# Altium PCB GN-1846-E-V2.PcbDoc (part 1 of 8) (continued)
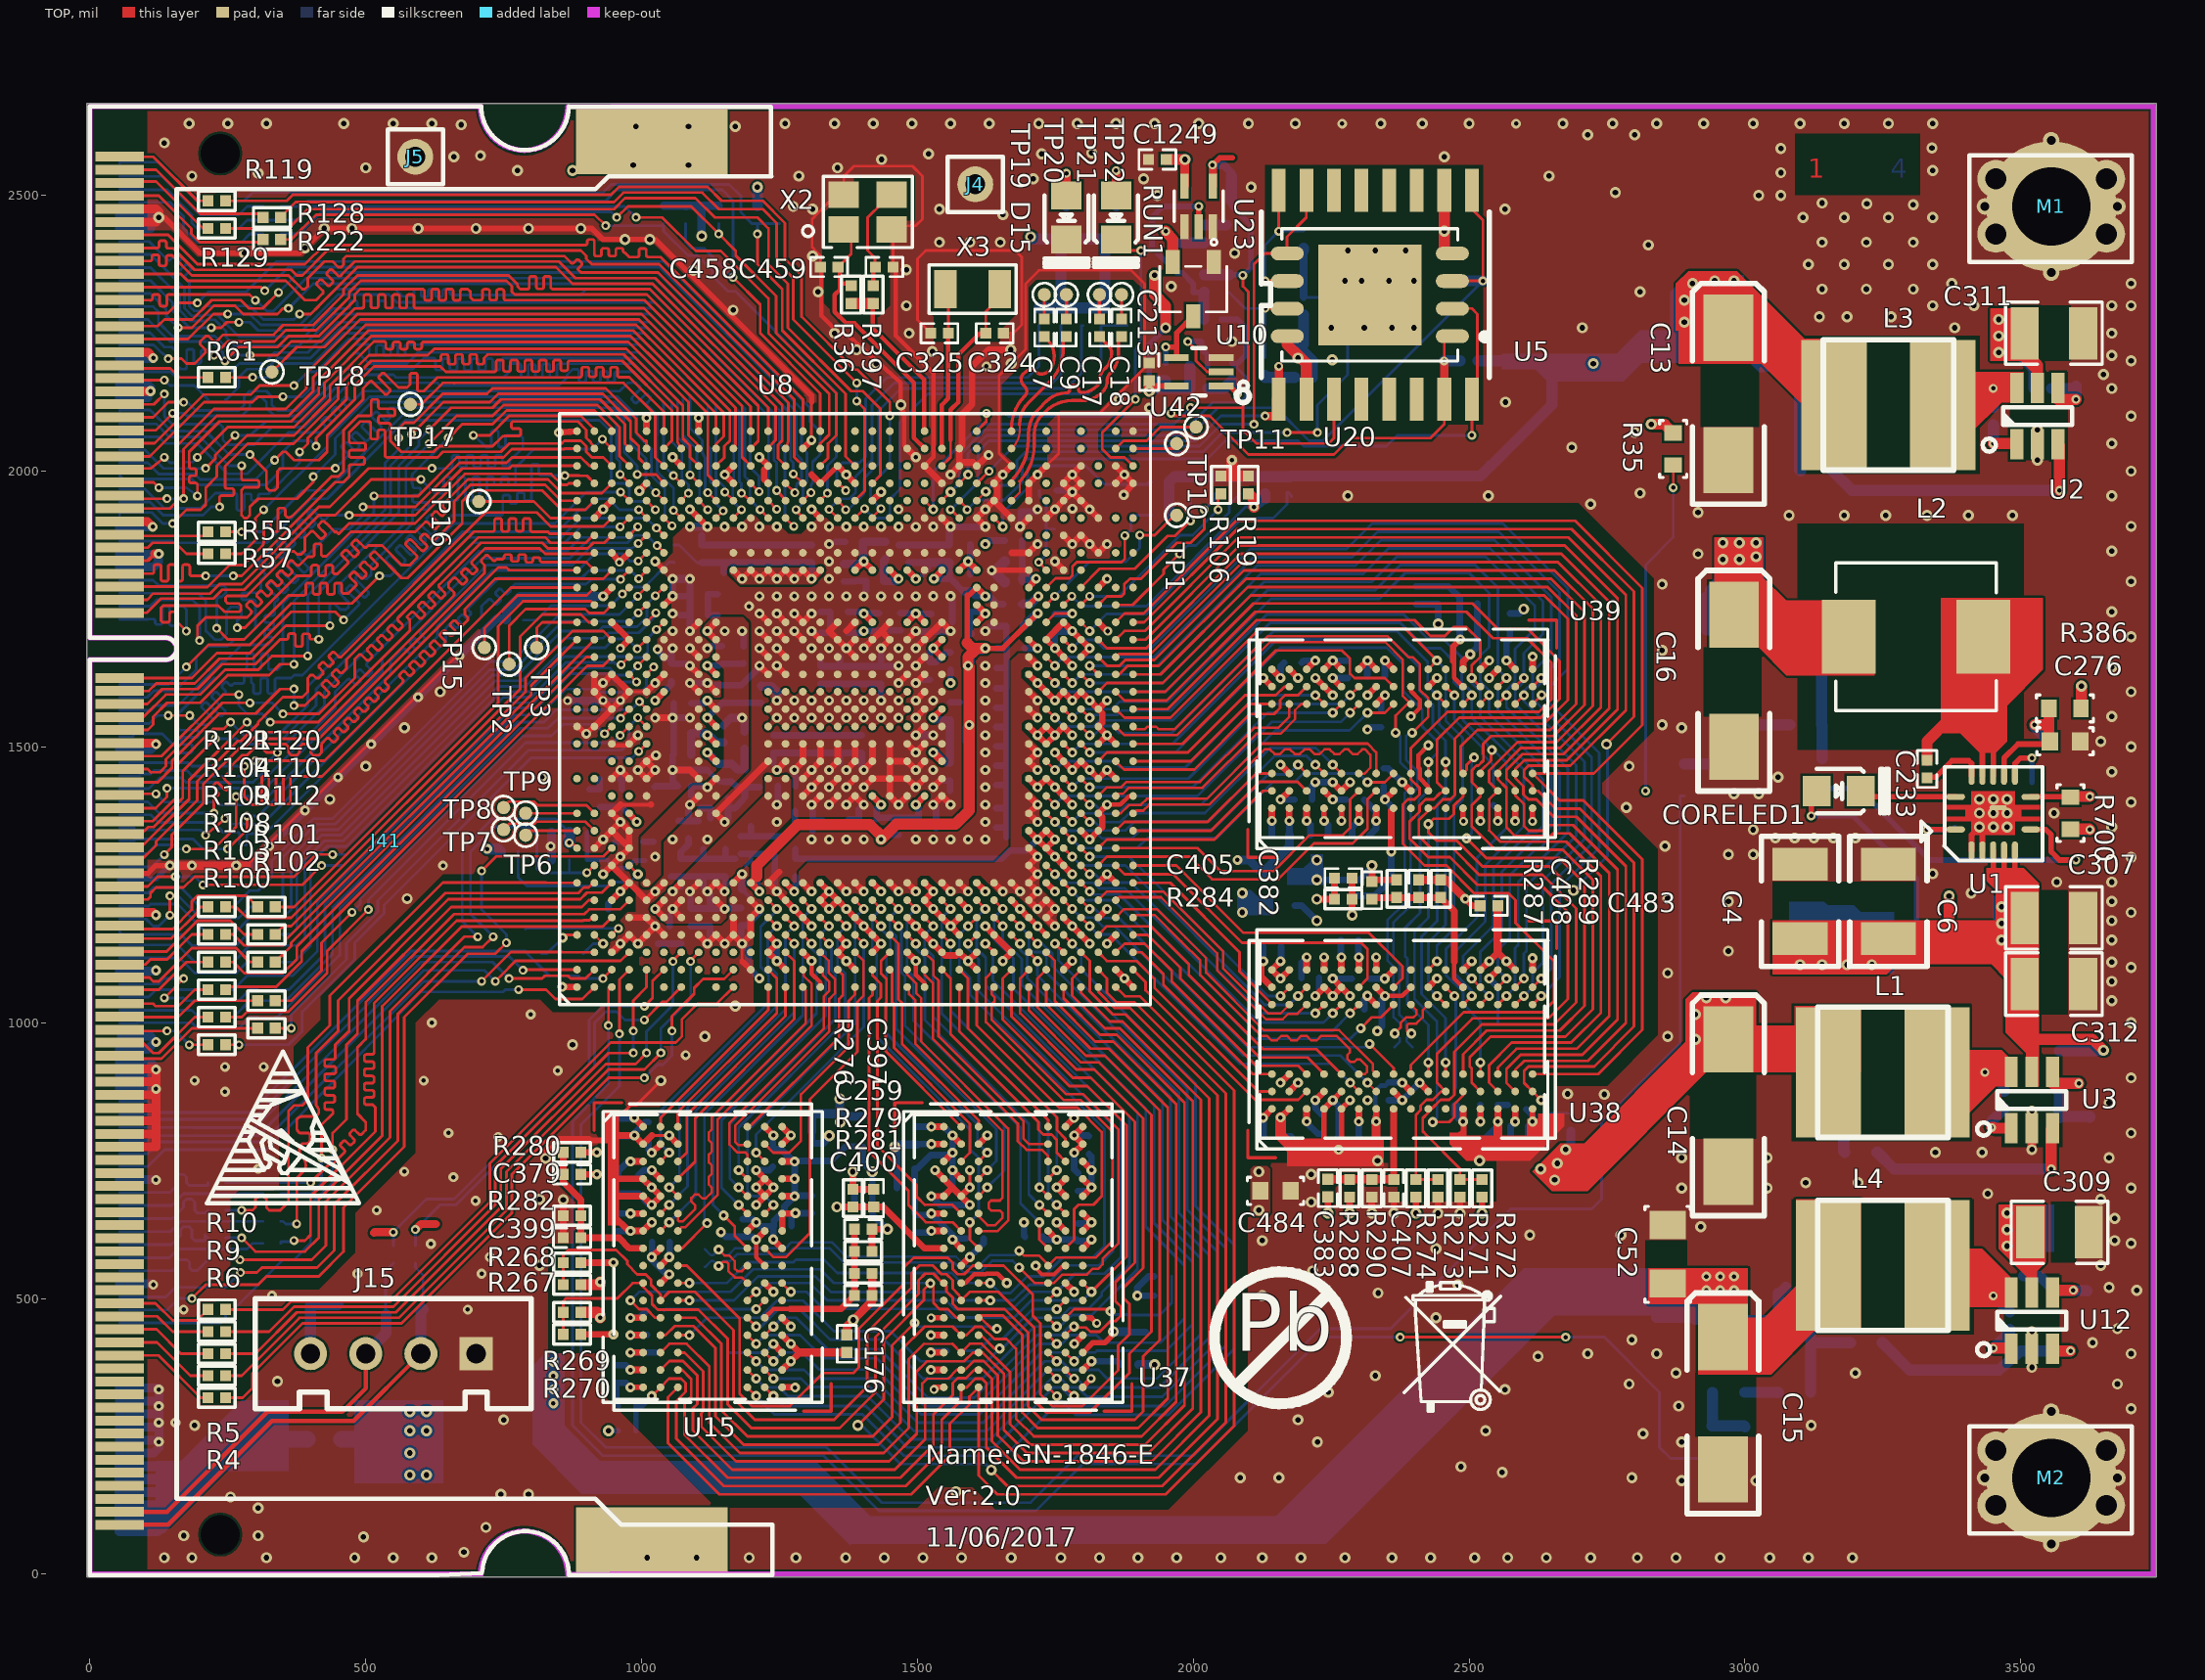
[diagram p0: TOP view]
## Design rules (kind name [scope] priority, off if disabled: settings)
Clearance "'Default' PADS rule_18" [All] p1: gap=4
Clearance "'Default' PADS rule_15" [IsVia vs IsVia] p2: gap=4
ComponentClearance "'Default' PADS rule_12" [All] p1: gap=4 collisioncheckmode=3 verticalgap=10 showdistances=FALSE
FabricationTestPointUsage TestPointUsage [All] p1: valid=0 allowmultiple=FALSE
FabricationTestpoint Testpoint [All] p1: side=3 testpointundercomponent=TRUE minsize=40 maxsize=100 preferedsize=60 minholesize=0 maxholesize=40 preferedholesize=32 testpointgrid=1 allowsidetop=TRUE allowsidebottom=TRUE usegrid=TRUE gridtolerance=0.01
FlightTimeFalling "'Class' PADS rule_57" [InNetClass('G2')] p1: maximum=10.00
FlightTimeFalling "'Class' PADS rule_50" [InNetClass('G0')] p2: maximum=10.00
FlightTimeFalling "'Class' PADS rule_43" [InNetClass('G3')] p3: maximum=10.00
FlightTimeFalling "'Class' PADS rule_36" [InNetClass('G1')] p4: maximum=10.00
FlightTimeFalling "'Net' PADS rule_30" [InNetClass('Protel Created NetClass - 2')] p5: maximum=10.00
FlightTimeFalling "'Net' PADS rule_23" [InNetClass('Protel Created NetClass - 1')] p6: maximum=10.00
FlightTimeFalling "'Default' PADS rule_10" [All] p7: maximum=10.00
FlightTimeRising "'Class' PADS rule_56" [InNetClass('G2')] p1: maximum=10.00
FlightTimeRising "'Class' PADS rule_49" [InNetClass('G0')] p2: maximum=10.00
FlightTimeRising "'Class' PADS rule_42" [InNetClass('G3')] p3: maximum=10.00
FlightTimeRising "'Class' PADS rule_35" [InNetClass('G1')] p4: maximum=10.00
FlightTimeRising "'Net' PADS rule_29" [InNetClass('Protel Created NetClass - 2')] p5: maximum=10.00
FlightTimeRising "'Net' PADS rule_22" [InNetClass('Protel Created NetClass - 1')] p6: maximum=10.00
FlightTimeRising "'Default' PADS rule_9" [All] p7: maximum=10.00
Length "'Class' PADS rule_52" [InNetClass('G2')] p1: maxlimit=1550 minlimit=1350
Length "'Class' PADS rule_45" [InNetClass('G0')] p2: maxlimit=1350 minlimit=1150
Length "'Class' PADS rule_38" [InNetClass('G3')] p3: maxlimit=1650 minlimit=1450
Length "'Class' PADS rule" [InNetClass('G1')] p4: maxlimit=1500 minlimit=1300
Length "'Net' PADS rule_25" [InNetClass('Protel Created NetClass - 2')] p5: maxlimit=1100 minlimit=1000
Length "'Net' PADS rule" [InNetClass('Protel Created NetClass - 1')] p6: maxlimit=1150 minlimit=1050
Length "'Default' PADS rule_5" [All] p7: maxlimit=50000 minlimit=0
MatchedLengths "'Class' PADS rule_58" [InNetClass('G2')] p1: tolerance=100 checknetsindiffpair=TRUE checkdiffpairvsdiffpair=TRUE checkothers=TRUE
MatchedLengths "'Class' PADS rule_51" [InNetClass('G0')] p2: tolerance=100 checknetsindiffpair=TRUE checkdiffpairvsdiffpair=TRUE checkothers=TRUE
MatchedLengths "'Class' PADS rule_44" [InNetClass('G3')] p3: tolerance=100 checknetsindiffpair=TRUE checkdiffpairvsdiffpair=TRUE checkothers=TRUE
MatchedLengths "'Class' PADS rule_37" [InNetClass('G1')] p4: tolerance=100 checknetsindiffpair=TRUE checkdiffpairvsdiffpair=TRUE checkothers=TRUE
MatchedLengths "'Net' PADS rule_31" [InNetClass('Protel Created NetClass - 2')] p5: tolerance=100 checknetsindiffpair=TRUE checkdiffpairvsdiffpair=TRUE checkothers=TRUE
MatchedLengths "'Net' PADS rule_24" [InNetClass('Protel Created NetClass - 1')] p6: tolerance=100 checknetsindiffpair=TRUE checkdiffpairvsdiffpair=TRUE checkothers=TRUE
MatchedLengths "'Default' PADS rule_11" [InNetClass('All Nets')] p7: tolerance=200 checknetsindiffpair=TRUE checkdiffpairvsdiffpair=TRUE checkothers=TRUE
MaxMinImpedance "'Class' PADS rule_55" [InNetClass('G2')] p1: minimum=50.00 maximum=150.0
MaxMinImpedance "'Class' PADS rule_48" [InNetClass('G0')] p2: minimum=50.00 maximum=150.0
MaxMinImpedance "'Class' PADS rule_41" [InNetClass('G3')] p3: minimum=50.00 maximum=150.0
MaxMinImpedance "'Class' PADS rule_34" [InNetClass('G1')] p4: minimum=50.00 maximum=150.0
MaxMinImpedance "'Net' PADS rule_28" [InNetClass('Protel Created NetClass - 2')] p5: minimum=50.00 maximum=150.0
MaxMinImpedance "'Net' PADS rule_21" [InNetClass('Protel Created NetClass - 1')] p6: minimum=50.00 maximum=150.0
MaxMinImpedance "'Default' PADS rule_8" [All] p7: minimum=50.00 maximum=150.0
ParallelSegment "'Class' PADS rule_54" [InNetClass('G2')] p1: limit=1000 gap=200
ParallelSegment "'Class' PADS rule_53" [InNetClass('G2')] p2: limit=1000 gap=200
ParallelSegment "'Class' PADS rule_47" [InNetClass('G0')] p3: limit=1000 gap=200
ParallelSegment "'Class' PADS rule_46" [InNetClass('G0')] p4: limit=1000 gap=200
ParallelSegment "'Class' PADS rule_40" [InNetClass('G3')] p5: limit=1000 gap=200
ParallelSegment "'Class' PADS rule_39" [InNetClass('G3')] p6: limit=1000 gap=200
ParallelSegment "'Class' PADS rule_33" [InNetClass('G1')] p7: limit=1000 gap=200
ParallelSegment "'Class' PADS rule_32" [InNetClass('G1')] p8: limit=1000 gap=200
ParallelSegment "'Net' PADS rule_27" [InNetClass('Protel Created NetClass - 2')] p9: limit=1000 gap=200
ParallelSegment "'Net' PADS rule_26" [InNetClass('Protel Created NetClass - 2')] p10: limit=1000 gap=200
ParallelSegment "'Net' PADS rule_20" [InNetClass('Protel Created NetClass - 1')] p11: limit=1000 gap=200
ParallelSegment "'Net' PADS rule_19" [InNetClass('Protel Created NetClass - 1')] p12: limit=1000 gap=200
ParallelSegment "'Default' PADS rule_7" [All] p13: limit=1000 gap=200
ParallelSegment "'Default' PADS rule_6" [All] p14: limit=1000 gap=200
PlaneClearance "'Default' PADS rule_14" [All] p1: clearance=4
PlaneConnect "Power Plane Connect Style - pads with no thermal" [(Name='J41-205') Or (Name='J41-206') Or (Name='M5-1') Or (Name='M7-1')] p1: planeconnectstyle=Direct reliefexpansion=20 reliefentries=4 reliefconductorwidth=10 reliefairgap=10 // PAD - No Thermal Connect Rule
PlaneConnect "Power Plane Connect Style - from global settings" [All] p2: planeconnectstyle=Direct reliefexpansion=20 reliefentries=2 reliefconductorwidth=10 reliefairgap=10
PolygonConnect [All] p1: connectstyle=Direct reliefconductorwidth=10 reliefentries=4 polygonreliefangle="90 Angle"
RoomDefinition "P18 CONNECT DDR1" [InComponentClass('P18 CONNECT DDR1')] p1: confinementstyle=ConfineIn formatcopy=TRUE lockcomponents=FALSE outline -33477,-39373.61 -31477,-39373.61 -31477,-38373.61 -33477,-38373.61
RoomDefinition "P17 Hi3531AV100 (AD)" [InComponentClass('P17 Hi3531AV100 (AD)')] p2: confinementstyle=ConfineIn formatcopy=TRUE lockcomponents=FALSE outline -33477,-39373.61 -31477,-39373.61 -31477,-38373.61 -33477,-38373.61
RoomDefinition "P16 Hi3531AV100(RGMII&I" [InComponentClass('P16 Hi3531AV100(RGMII&I')] p3: confinementstyle=ConfineIn formatcopy=TRUE lockcomponents=FALSE outline -33477,-39373.61 -31477,-39373.61 -31477,-38373.61 -33477,-38373.61
RoomDefinition "P15 Hi3531AV100(VO&I2S3" [InComponentClass('P15 Hi3531AV100(VO&I2S3')] p4: confinementstyle=ConfineIn formatcopy=TRUE lockcomponents=FALSE outline -33477,-39373.61 -31477,-39373.61 -31477,-38373.61 -33477,-38373.61
RoomDefinition "P14 Hi3531AV100(SATA&PC" [InComponentClass('P14 Hi3531AV100(SATA&PC')] p5: confinementstyle=ConfineIn formatcopy=TRUE lockcomponents=FALSE outline -33477,-39373.61 -31477,-39373.61 -31477,-38373.61 -33477,-38373.61
RoomDefinition "P13 Configuration" [InComponentClass('P13 Configuration')] p6: confinementstyle=ConfineIn formatcopy=TRUE lockcomponents=FALSE outline -33477,-39373.61 -31477,-39373.61 -31477,-38373.61 -33477,-38373.61
RoomDefinition "P12 SPI&NAND FLASH" [InComponentClass('P12 SPI&NAND FLASH')] p7: confinementstyle=ConfineIn formatcopy=TRUE lockcomponents=FALSE outline -33477,-39373.61 -31477,-39373.61 -31477,-38373.61 -33477,-38373.61
RoomDefinition "P11 Hi3531A(SYSTEM)&RES" [InComponentClass('P11 Hi3531A(SYSTEM)&RES')] p8: confinementstyle=ConfineIn formatcopy=TRUE lockcomponents=FALSE outline -33477,-39373.61 -31477,-39373.61 -31477,-38373.61 -33477,-38373.61
RoomDefinition "P10 DDRC&D NOVTT" [InComponentClass('P10 DDRC&D NOVTT')] p9: confinementstyle=ConfineIn formatcopy=TRUE lockcomponents=FALSE outline -33477,-39373.61 -31477,-39373.61 -31477,-38373.61 -33477,-38373.61
RoomDefinition "P09 DDRA&B NOVTT" [InComponentClass('P09 DDRA&B NOVTT')] p10: confinementstyle=ConfineIn formatcopy=TRUE lockcomponents=FALSE outline -33477,-39373.61 -31477,-39373.61 -31477,-38373.61 -33477,-38373.61
RoomDefinition "P08 Hi3531AV100(DDRC0 D" [InComponentClass('P08 Hi3531AV100(DDRC0 D')] p11: confinementstyle=ConfineIn formatcopy=TRUE lockcomponents=FALSE outline -33477,-39373.61 -31477,-39373.61 -31477,-38373.61 -33477,-38373.61
RoomDefinition "P07 Hi3531AV100(POWER)" [InComponentClass('P07 Hi3531AV100(POWER)')] p12: confinementstyle=ConfineIn formatcopy=TRUE lockcomponents=FALSE outline -33477,-39373.61 -31477,-39373.61 -31477,-38373.61 -33477,-38373.61
RoomDefinition "P06 Hi3531AV100(GND)" [InComponentClass('P06 Hi3531AV100(GND)')] p13: confinementstyle=ConfineIn formatcopy=TRUE lockcomponents=FALSE outline -33477,-39373.61 -31477,-39373.61 -31477,-38373.61 -33477,-38373.61
RoomDefinition "P05 Power Supply2" [InComponentClass('P05 Power Supply2')] p14: confinementstyle=ConfineIn formatcopy=TRUE lockcomponents=FALSE outline -33477,-39373.61 -31477,-39373.61 -31477,-38373.61 -33477,-38373.61
RoomDefinition "P04 Power Supply1" [InComponentClass('P04 Power Supply1')] p15: confinementstyle=ConfineIn formatcopy=TRUE lockcomponents=FALSE outline -33477,-39373.61 -31477,-39373.61 -31477,-38373.61 -33477,-38373.61
RoutingLayers "'Default' PADS rule_3" [All] p1: top layer_v5=TRUE mid layer 1_v5=TRUE mid layer 2_v5=TRUE bottom layer_v5=TRUE
RoutingPriority "'Default' PADS rule_2" [All] p1: routingpriority=0
RoutingTopology "'Default' PADS rule" [All] p1: topology=Shortest
RoutingVias "'Default' PADS rule_4" [All] p1: holewidth=10 width=20 viastyle="Through Hole" minholewidth=10 minwidth=20 maxholewidth=10 maxwidth=20
SMDToCorner "'Default' PADS rule_16" [All] p1: distance=40000
SMDToPlane "'Default' PADS rule_17" [All] p1: distance=40000
SilkscreenOverComponentPads [All] p1: minsilkscreentomaskgap=10
SolderMaskExpansion [All] p1: expansion=4
Width "'Default' PADS rule_13" [All] p1: maxlimit=200 minlimit=4 preferedwidth=20
19 further rules are at their usual default settings.

## Classes and differential pairs
component class "P18 CONNECT DDR1": J41 R4 R5 R6 R9 R10 R55 R57 R58 R61 R62 R63 R100 R101 R102 R103 R104 R108 R109 R110 R111 R112 R113 R114 R115 R116 R119 R120 R121 R122 R123 R124 R125 R126 R128 R129 R132 R133 R134
component class "P17 Hi3531AV100 (AD)": C153 C175 C199 C430 R221 R222 R325 TP15 TP16 TP17 TP18
component class "P16 Hi3531AV100(RGMII&I": C198 C200 C431 R59 R60 R105 R320 R326 R341 R342 R343 R344 R345 TP1 TP12 TP13 TP14 U8
component class "P15 Hi3531AV100(VO&I2S3": C1 C2 C194 C197 C424 C426 C427 C428 C448 C480 J15 LB4 LB5 LB14 R48 R219 R372 TP2 TP3
component class "P14 Hi3531AV100(SATA&PC": C5 C7 C9 C17 C18 C101 C151 C356 C417 C467 C468 C470 LB3 LB6 LB9 LB11 LB12 LB24 R8 R30 R39 R40 R41 RUN1 TP6 TP7 TP8 TP9 TP10 TP11 TP19 TP20 TP21 TP22
component class "P13 Configuration": R2 R7 R80 R82 R244 R245 R246 R248 R316 R317 R318 R319 R321 R322 R323 R368 R688 R689 R690 R691 R703
component class "P12 SPI&NAND FLASH": C3 C8 R29 R56 R127 R130 R131 U5 U20
component class "P11 Hi3531A(SYSTEM)&RES": C204 C206 C207 C213 C220 C324 C325 C438 C455 C458 C459 C1247 C1249 C1255 R19 R23 R36 R37 R38 R64 R83 R84 R94 R95 R96 R106 R225 R253 R334 R335 R397 R687 R694 R699 U10 U23 U42 X2 X3
component class "P10 DDRC&D NOVTT": C45 C156 C157 C159 C160 C161 C163 C164 C165 C166 C167 C168 C169 C170 C171 C172 C173 C174 C380 C381 C382 C383 C405 C406 C407 C408 C411 C472 C483 C486 C526 C527 C597 C599 C1253 R170 R199 R236 R271 R272 R273 R274 R283 R284 R285 R286 R287 R288 R289 R290 R293 U38 U39
component class "P09 DDRA&B NOVTT": C43 C100 C133 C138 C140 C141 C142 C147 C148 C149 C152 C176 C257 C258 C259 C379 C397 C398 C399 C400 C401 C403 C404 C471 C478 C484 C496 C525 C588 C589 C590 C591 C592 C593 C594 C595 R168 R169 R235 R267 R268 R269 R270 R275 R276 R277 R278 R279 R280 R281 R282 R292 U15 U37
component class "P08 Hi3531AV100(DDRC0 D": C124 C125 C237 C238 C239 C240 C241 C242 C243 C244 C245 C246 C390 C392 C394 C395 C564 C578 C581 C582 C583 C584 C586 C587 LB1 LB2 R197 R198
component class "P07 Hi3531AV100(POWER)": C10 C11 C22 C23 C24 C25 C51 C52 C54 C61 C62 C80 C81 C82 C83 C88 C89 C90 C91 C92 C93 C94 C95 C96 C97 C98 C135 C136 C143 C387 C388 C434 C435 C456 C460 C461 C462 C576 LB28 LB29
component class "P06 Hi3531AV100(GND)": J4 J5 M1 M2
component class "P05 Power Supply2": C13 C14 C27 C28 C74 C75 C109 C112 C274 C275 C287 C311 C312 C449 C450 C452 C485 C1352 D15 L1 L3 R3 R11 R12 R24 R26 R206 R260 R261 R370 R403 U2 U3
component class "P04 Power Supply1": C4 C6 C12 C15 C16 C33 C35 C68 C72 C78 C233 C272 C276 C283 C307 C309 C384 C442 C443 C446 C447 C481 C482 C511 C555 C1349 C1350 C1351 CORELED1 F1 L2 L4 R13 R35 R43 R230 R257 R258 R294 R295 R296 R297 R310 R311 R371 R373 R386 R387 R695 R700 R701 R702 U1 U12

## Components (designator, comment, footprint, x,y, rotation, side; value= is the part's Value field where it differs from the comment)
C1 "SC0402" SC0402 520,480 r0 bottom
C2 "SC0402" SC0402 620,480 r180 bottom
C3 "SC0402" SC0402 1950,2300 r270 bottom
C4 "1210" 1210 3100,1220 r90 top
C5 "SC0402" SC0402 1674,1799 r0 bottom
C6 "1210" 1210 3260,1220 r90 top
C7 "SC0402" SC0402 1730,2260 r90 top
C8 "SC0603" SC0603 1925,2565 r0 bottom
C9 "SC0402" SC0402 1770,2260 r90 top
C10 "SC0402" SC0402 1672,1759 r180 bottom
C11 "SC0402" SC0402 1085,1350 r90 bottom
C12 "SC0603" SC0603 2940,1440 r90 bottom
C13 "6032" 6032 2970,2140 r90 top
C14 "6032" 6032 2970,850 r90 top
C15 "6032" 6032 2960,310 r90 top
C16 "6032" 6032 2980,1620 r90 top
C17 "SC0402" SC0402 1830,2260 r90 top
C18 "SC0402" SC0402 1870,2260 r90 top
C22 "SC0402" SC0402 1225.5,1266 r180 bottom
C23 "SC0402" SC0402 1074,1579.31 r0 bottom
C24 "SC0402" SC0402 1434,1630 r270 bottom
C25 "SC0402" SC0402 1239,1505 r90 bottom
C27 "SC0402" SC0402 3470,860 r270 bottom
C28 "SC0402" SC0402 3450,2100 r270 bottom
C33 "SC0402" SC0402 3480,460 r270 bottom
C35 "SC0603" SC0603 3565,485 r90 bottom
C43 "SC0603" SC0603 1401.02,803.02 r270 bottom
C45 "SC0603" SC0603 2129,1240 r270 bottom
C51 "SC0805" SC0805 1454,1490 r270 bottom
C52 "SC1206" SC1206 2860,580 r90 top
C54 "SC0603" SC0603 1276.73,1646 r270 bottom
C61 "SC0402" SC0402 1423,1801 r0 bottom
C62 "SC0402" SC0402 1358,1745 r0 bottom
C68 "SC0402" SC0402 2840,450 r90 bottom
C72 "SC0402" SC0402 2910,1770 r0 bottom
C74 "SC0402" SC0402 2900,920 r90 bottom
C75 "SC0402" SC0402 2570,2180 r90 bottom
C78 "SC0603" SC0603 3000,240 r90 bottom
C80 "SC0603" SC0603 967,1206.34 r0 bottom
C81 "SC0402" SC0402 1294,1366 r180 bottom
C82 "SC0402" SC0402 1071,1281 r270 bottom
C83 "SC0402" SC0402 1180,1192 r90 bottom
C88 "SC0402" SC0402 1152,1281 r270 bottom
C89 "SC0402" SC0402 1124,1191 r90 bottom
C90 "SC0402" SC0402 1104,1777 r0 bottom
C91 "SC0402" SC0402 987,1328 r0 bottom
C92 "SC0402" SC0402 1385,1872 r0 bottom
C93 "SC0402" SC0402 1358,1707 r0 bottom
C94 "SC0402" SC0402 1677,1719 r0 bottom
C95 "SC0402" SC0402 1319,1505 r90 bottom
C96 "SC0402" SC0402 1359,1505 r90 bottom
C97 "SC0402" SC0402 1399,1505 r90 bottom
C98 "SC0402" SC0402 1279,1505 r90 bottom
C100 "SC0402" SC0402 1791.02,711.02 r270 bottom
C101 "SC0402" SC0402 1149,1453 r90 bottom
C109 "SC0603" SC0603 3530,2230 r180 bottom
C112 "SC0805" SC0805 2960,2190 r270 bottom
C124 "SC0402" SC0402 1559,1455 r90 bottom
C125 "SC0402" SC0402 1410,1369 r0 bottom
C133 "SC0402" SC0402 1711.02,612.02 r0 bottom
C135 "SC0402" SC0402 1149,1850 r270 bottom
C136 "SC0402" SC0402 1367,1816 r90 bottom
C138 "SC0402" SC0402 1498.82,795.48 r90 bottom
C140 "SC0402" SC0402 1563.82,685.48 r90 bottom
C141 "SC0402" SC0402 957.62,706.52 r90 bottom
C142 "SC0402" SC0402 993.62,706.52 r90 bottom
C143 "SC0402" SC0402 1109,1850 r270 bottom
C147 "SC0402" SC0402 954.83,362.98 r90 bottom
C148 "SC0402" SC0402 1009.83,417.98 r90 bottom
C149 "SC0402" SC0402 1183.02,628.02 r90 bottom
C151 "SC0402" SC0402 1522.2,1637.7 r90 bottom
C152 "SC0402" SC0402 952.62,810.52 r90 bottom
C153 "SC0402" SC0402 1189,1850 r270 bottom
C156 "SC0402" SC0402 2354.48,875.62 r270 bottom
C157 "SC0402" SC0402 2325.98,1024.02 r180 bottom
C159 "SC0402" SC0402 2247.48,798.62 r180 bottom
C160 "SC0402" SC0402 2283.52,1149.82 r180 bottom
C161 "SC0402" SC0402 2143,1138 r180 bottom
C163 "SC0402" SC0402 2316.02,794.83 r180 bottom
C164 "SC0402" SC0402 2143.48,793.62 r180 bottom
C165 "SC0402" SC0402 2228.52,1339.82 r180 bottom
C166 "SC0402" SC0402 2158.52,1339.82 r180 bottom
C167 "SC0402" SC0402 2303.52,1079.82 r0 bottom
C168 "SC0402" SC0402 2280.48,1640.62 r90 bottom
C169 "SC0402" SC0402 2331.48,1628.62 r0 bottom
C170 "SC0402" SC0402 2340.48,1551.62 r90 bottom
C171 "SC0402" SC0402 2199.48,1404.62 r180 bottom
C172 "SC0402" SC0402 2293.48,1404.62 r180 bottom
C173 "SC0402" SC0402 2344.98,1445.02 r270 bottom
C174 "SC0402" SC0402 2304,1340 r180 bottom
C175 "SC0402" SC0402 1309,1850 r270 bottom
C176 "SC0402" SC0402 1372,418 r270 top
C194 "SC0402" SC0402 1146,1596 r270 bottom
C197 "SC0402" SC0402 1074,1525 r0 bottom
C198 "SC0402" SC0402 1141,1389 r180 bottom
C199 "SC0402" SC0402 1269,1850 r270 bottom
C200 "SC0402" SC0402 1081.61,1429 r0 bottom
C204 "SC0402" SC0402 1558,1850 r270 bottom
C206 "SC0402" SC0402 1484,1850 r270 bottom
C207 "SC0402" SC0402 1672,1926.3 r180 bottom
C213 "SC0402" SC0402 1920,2180 r270 top
C220 "SC0402" SC0402 2085,2490 r180 bottom
C233 "SC0402" SC0402 3330,1460 r270 top
C237 "SC0402" SC0402 1423,1281 r270 bottom
C238 "SC0402" SC0402 1531,1281 r270 bottom
C239 "SC0402" SC0402 1567,1281 r270 bottom
C240 "SC0402" SC0402 1604,1281 r270 bottom
C241 "SC0402" SC0402 1643,1281 r270 bottom
C242 "SC0402" SC0402 1677,1431 r0 bottom
C243 "SC0402" SC0402 1677,1354 r0 bottom
C244 "SC0402" SC0402 1677,1389 r0 bottom
C245 "SC0402" SC0402 1677,1466 r0 bottom
C246 "SC0402" SC0402 1677,1501 r0 bottom
C257 "SC0402" SC0402 1945.02,505.02 r180 bottom
C258 "SC0402" SC0402 1402,665 r0 bottom
C259 "SC0402" SC0402 1401.82,625.48 r0 top
C272 "SC0603" SC0603 3530,1210 r180 bottom
C274 "SC0603" SC0603 3180,1220 r270 bottom
C275 "SC0603" SC0603 3570,800 r90 bottom
C276 "SC0603" SC0603 3580,1510 r180 top
C283 "SC0603" SC0603 655,235 r180 bottom
C287 "SC0402" SC0402 3050,2250 r0 bottom
C307 "SC1210B" SC1210B 3560,1190 r0 top
C309 "SC1210B" SC1210B 3570,620 r0 top
C311 "SC1210B" SC1210B 3560,2250 r0 top
C312 "SC1210B" SC1210B 3560,1070 r0 top
C324 "SC0402" SC0402 1640,2250 r0 top
C325 "SC0402" SC0402 1540,2250 r180 top
C356 "SC0402" SC0402 1596,1883 r270 bottom
C379 "SC0402" SC0402 874,725 r0 top
C380 "SC0402" SC0402 2444,1775 r270 bottom
C381 "SC0402" SC0402 2359,1355 r90 bottom
C382 "SC0402" SC0402 2324,1240 r90 top
C383 "SC0402" SC0402 2244,700 r270 top
C384 "SC0603" SC0603 3570,640 r180 bottom
C387 "SC0402" SC0402 1394,1630 r270 bottom
C388 "SC0402" SC0402 1324,1630 r270 bottom
C390 "SC0402" SC0402 1559,1565 r270 bottom
C392 "SC0402" SC0402 1677,1606 r0 bottom
C394 "SC0402" SC0402 1388,1281 r270 bottom
C395 "SC0402" SC0402 1518,1371 r180 bottom
C397 "SC0402" SC0402 1421,682 r270 top
C398 "SC0402" SC0402 1915.02,454.02 r90 bottom
C399 "SC0402" SC0402 874,610 r0 top
C400 "SC0402" SC0402 1401.82,505.48 r180 top
C401 "SC0402" SC0402 1811.02,778.02 r270 bottom
C403 "SC0402" SC0402 1308.82,765.48 r270 bottom
C404 "SC0402" SC0402 1238.02,755.02 r90 bottom
C405 "SC0402" SC0402 2272,1262 r0 top
C406 "SC0402" SC0402 2499,1760 r180 bottom
C407 "SC0402" SC0402 2363.52,699.82 r90 top
C408 "SC0402" SC0402 2408.52,1242.82 r270 top
C411 "SC0402" SC0402 1013.02,804.02 r270 bottom
C417 "SC0402" SC0402 1525,1725 r90 bottom
C424 "SC0402" SC0402 1181,1596 r270 bottom
C426 "SC0402" SC0402 1104,1739 r0 bottom
C427 "SC0402" SC0402 1146,1667 r270 bottom
C428 "SC0402" SC0402 1074,1486 r0 bottom
C430 "SC0402" SC0402 1229,1850 r270 bottom
C431 "SC0603" SC0603 1023.61,1400 r270 bottom
C434 "SC0402" SC0402 1238,1322 r90 bottom
C435 "SC0402" SC0402 1198,1322 r90 bottom
C438 "SC0402" SC0402 1521,1850 r270 bottom
C442 "SC0805" SC0805 2910,430 r270 bottom
C443 "SC0805" SC0805 2990,430 r270 bottom
C446 "SC0805" SC0805 3010,1680 r270 bottom
C447 "SC0805" SC0805 2930,1680 r270 bottom
C448 "SC0402" SC0402 450,505 r270 bottom
C449 "SC0805" SC0805 3050,900 r270 bottom
C450 "SC0805" SC0805 2970,900 r270 bottom
C452 "SC0805" SC0805 2880,2190 r270 bottom
C455 "SC0402" SC0402 2060,2430 r90 bottom
C456 "SC0402" SC0402 1263,1429 r180 bottom
C458 "SC0402" SC0402 1340,2370 r180 top
C459 "SC0402" SC0402 1440,2370 r0 top
C460 "SC0402" SC0402 1051,1159 r90 bottom
C461 "SC0402" SC0402 1112,1281 r270 bottom
C462 "SC0402" SC0402 1089,1191 r90 bottom
C467 "SC0402" SC0402 1674,1836 r0 bottom
C468 "SC0402" SC0402 1187,1443 r90 bottom
C470 "SC0402" SC0402 1579,1745 r0 bottom
C471 "SC0402" SC0402 974,305 r0 bottom
C472 "SC0402" SC0402 2643.52,819.82 r90 bottom
C478 "SC0402" SC0402 1479,700 r0 bottom
C480 "SC0603" SC0603 405,520 r270 bottom
C481 "SC0402" SC0402 3100,1730 r0 bottom
C482 "SC0402" SC0402 3090,520 r0 bottom
C483 "SC0402" SC0402 2536,1212 r0 top
C484 "SC0603" SC0603 2149,695 r180 top
C485 "SC0402" SC0402 3150,990 r180 bottom
C486 "SC0603" SC0603 2184,1240 r90 bottom
C496 "SC0402" SC0402 1479,735 r0 bottom
C511 "SC0603" SC0603 3240,1210 r270 bottom
C525 "SC0402" SC0402 2574,1726 r270 bottom
C526 "SC0402" SC0402 2212,1081 r180 bottom
C527 "SC0402" SC0402 1885.02,380.02 r180 bottom
C555 "SC0805" SC0805 3110,1230 r90 bottom
C564 "SC0402" SC0402 1685,1296 r270 bottom
C576 "SC0402" SC0402 1359,1630 r270 bottom
C578 "SC0402" SC0402 1677,1536 r0 bottom
C581 "SC0402" SC0402 1678,1643 r0 bottom
C582 "SC0402" SC0402 1677,1571 r0 bottom
C583 "SC0402" SC0402 1318,1281 r270 bottom
C584 "SC0402" SC0402 1353,1281 r270 bottom
C586 "SC0402" SC0402 1458,1281 r270 bottom
C587 "SC0402" SC0402 1495,1281 r270 bottom
C588 "SC0402" SC0402 1498.82,635.48 r90 bottom
C589 "SC0402" SC0402 1791.02,620.02 r270 bottom
C590 "SC0402" SC0402 2180.48,1652.62 r0 bottom
C591 "SC0402" SC0402 1604.02,609.02 r180 bottom
C592 "SC0402" SC0402 953.83,637.98 r90 bottom
C593 "SC0402" SC0402 1256.02,631.02 r180 bottom
C594 "SC0402" SC0402 1308.82,670.48 r90 bottom
C595 "SC0402" SC0402 1035.02,602.02 r180 bottom
C597 "SC0402" SC0402 2591.02,795.83 r180 bottom
C599 "SC0402" SC0402 2536.02,850.83 r180 bottom
C1247 "SC0402" SC0402 2030,2235 r180 bottom
C1249 "SC0402" SC0402 1935,2565 r0 top
C1253 "SC0402" SC0402 2247.48,834.62 r180 bottom
C1255 "SC0603" SC0603 2220,2230 r180 bottom
C1349 "SC0402" SC0402 3575,1350 r0 bottom
C1350 "SC0402" SC0402 3520,1420 r90 bottom
C1351 "SC0402" SC0402 3580,1410 r0 bottom
C1352 "SC0402" SC0402 3600,2170 r270 bottom
CORELED1 "SD0805-LED" SD0805-LED 3170,1420 r0 top
D15 "SD0805-LED" SD0805-LED 1770,2460 r270 top
F1 "1812" 1812 420,250 r0 bottom
J4 "SIP-1P" SIP-1P 1605,2520 r0 top
J5 "SIP-1P" SIP-1P 590,2570 r0 top
J15 "4PIN-2.54" 4PIN-2.54 700,400 r180 top
J41 "DDR3SODI_MBH2S6" DDR3SODI_MBH2S6 54,2570 r270 top
L1 "MPI6045" MPI6045 3250,910 r180 top
L2 "SPL0707G" SPL0707G 3310,1700 r180 top
L3 "MPI6045" MPI6045 3260,2120 r180 top
L4 "MPI6045" MPI6045 3250,560 r180 top
LB1 "SL0402" SL0402 1466,1356 r270 bottom
LB2 "SL0402" SL0402 1574,1510 r0 bottom
LB3 "SL0402" SL0402 1560,1655.78 r270 bottom
LB4 "SL0402" SL0402 1149,1524 r90 bottom
LB5 "SL0402" SL0402 1185,1667 r90 bottom
LB6 "SL0402" SL0402 1469,1727 r270 bottom
LB9 "SL0402" SL0402 1187,1512 r90 bottom
LB11 "SL0402" SL0402 1598,1689 r270 bottom
LB12 "SL0402" SL0402 1674,1874 r180 bottom
LB14 "SL0402" SL0402 1217,1595.5 r90 bottom
LB24 "SL0402" SL0402 1596,1797.27 r270 bottom
LB28 "SL0402" SL0402 1442,1856 r90 bottom
LB29 "SL0402" SL0402 1430,1727 r270 bottom
M1 "HOLE160-8STARAN" HOLE160-8STARAN 3555,2480 r0 top
M2 "HOLE160-8STARAN" HOLE160-8STARAN 3555,175 r0 top
R2 "SR0402" SR0402 885,1345 r0 bottom
R3 "SR0603" SR0603 3130,2000 r180 bottom
R4 "SR0402" SR0402 230,320 r180 top
R5 "SR0402" SR0402 230,360 r180 top
R6 "SR0402" SR0402 230,400 r180 top
R7 "SR0402" SR0402 1840,2280 r90 bottom
R8 "SR0402" SR0402 964,1407 r270 bottom
R9 "SR0402" SR0402 230,440 r180 top
R10 "SR0402" SR0402 230,480 r180 top
R11 "SR0603" SR0603 3625,800 r90 bottom
R12 "SR0603" SR0603 3150,940 r0 bottom
R13 "SR0603" SR0603 3620,485 r90 bottom
R19 "SR0402" SR0402 2100,1975 r90 top
R23 "SR0402" SR0402 2035,2275 r0 bottom
R24 "SR0603" SR0603 3070,2120 r180 bottom
R26 "SR0603" SR0603 1770,2450 r90 bottom
R29 "SR0402" SR0402 2130,2190 r270 bottom
R30 "SR0603" SR0603 1860,2450 r90 bottom
R35 "SR0603" SR0603 2870,2040 r270 top
R36 "SR0402" SR0402 1380,2320 r270 top
R37 "SR0402" SR0402 1995,1975 r270 bottom
R38 "SR0402" SR0402 2040,1975 r270 bottom
R39 "SR0402" SR0402 924,1407 r270 bottom
R40 "SR0402" SR0402 1737,1965 r180 bottom
R41 "SR0402" SR0402 1765,1895 r180 bottom
R43 "SR0603" SR0603 3340,1180 r180 bottom
R48 "SR0402" SR0402 550,580 r270 bottom
R55 "SR0402" SR0402 230,1890 r0 top
R56 "SR0402" SR0402 2065,2340 r90 bottom
R57 "SR0402" SR0402 230,1850 r0 top
R58 "SR0402" SR0402 230,1870 r0 bottom
R59 "SR0402" SR0402 230,570 r0 bottom
R60 "SR0402" SR0402 230,2490 r180 bottom
R61 "SR0402" SR0402 230,2170 r0 top
R62 "SR0402" SR0402 230,2130 r0 bottom
R63 "SR0402" SR0402 230,2170 r0 bottom
R64 "SR0402" SR0402 2200,2420 r90 bottom
R80 "SR0402" SR0402 853,1345 r180 bottom
R82 "SR0402" SR0402 1880,2280 r90 bottom
R83 "SR0402" SR0402 2070,2180 r90 bottom
R84 "SR0402" SR0402 1940,1980 r180 bottom
R94 "SR0402" SR0402 2085,1975 r270 bottom
R95 "SR0402" SR0402 2020,2340 r90 bottom
R96 "SR0402" SR0402 2085,2535 r0 bottom
R100 "SR0402" SR0402 230,960 r180 top
R101 "SR0402" SR0402 320,1040 r180 top
R102 "SR0402" SR0402 320,990 r180 top
R103 "SR0402" SR0402 230,1010 r180 top
R104 "SR0402" SR0402 230,1160 r180 top
R105 "SR0402" SR0402 230,520 r0 bottom
R106 "SR0402" SR0402 2050,1975 r90 top
R108 "SR0402" SR0402 230,1060 r180 top
R109 "SR0402" SR0402 230,1110 r180 top
R110 "SR0402" SR0402 320,1160 r180 top
R111 "SR0402" SR0402 230,1110 r180 bottom
R112 "SR0402" SR0402 320,1110 r180 top
R113 "SR0402" SR0402 320,1110 r180 bottom
R114 "SR0402" SR0402 230,1210 r180 bottom
R115 "SR0402" SR0402 320,1210 r180 bottom
R116 "SR0402" SR0402 320,1160 r180 bottom
R119 "SR0402" SR0402 230,2490 r180 top
R120 "SR0402" SR0402 320,1210 r180 top
R121 "SR0402" SR0402 230,1210 r180 top
R122 "SR0402" SR0402 320,1010 r180 bottom
R123 "SR0402" SR0402 320,1060 r180 bottom
R124 "SR0402" SR0402 230,1060 r180 bottom
R125 "SR0402" SR0402 230,1010 r180 bottom
R126 "SR0402" SR0402 230,1160 r180 bottom
R127 "SR0402" SR0402 2200,2170 r180 bottom
R128 "SR0402" SR0402 330,2460 r180 top
R129 "SR0402" SR0402 230,2440 r180 top
R130 "SR0402" SR0402 2500,2200 r180 bottom
R131 "SR0402" SR0402 2450,2345 r180 bottom
R132 "SR0402" SR0402 330,2480 r180 bottom
R133 "SR0402" SR0402 230,2440 r180 bottom
R134 "SR0402" SR0402 330,2430 r180 bottom
R168 "SR0402" SR0402 1024.83,477.98 r0 bottom
R169 "SR0402" SR0402 1569,405 r0 bottom
R170 "SR0402" SR0402 2544,1410 r90 bottom
R197 "SR0402" SR0402 1279,1281 r90 bottom
R198 "SR0402" SR0402 1678,1679 r180 bottom
R199 "SR0402" SR0402 2476.02,865.83 r90 bottom
R206 "SR0603" SR0603 3150,870 r180 bottom
R219 "SR0402" SR0402 1054,1635 r90 bottom
R221 "SR0402" SR0402 1140,2465 r270 bottom
R222 "SR0402" SR0402 330,2420 r0 top
R225 "SR0402" SR0402 2010,2150 r0 bottom
R230 "SR0603" SR0603 2970,330 r180 bottom
R235 "SR0402" SR0402 974,260 r0 bottom
R236 "SR0402" SR0402 2684.02,819.83 r90 bottom
R244 "SR0402" SR0402 1940,1920 r180 bottom
R245 "SR0402" SR0402 760,1310 r0 bottom
R246 "SR0402" SR0402 2175,1975 r90 bottom
R248 "SR0402" SR0402 1210,2465 r270 bottom
R253 "SR0402" SR0402 1749,1725 r90 bottom
R257 "SR0603" SR0603 3090,460 r180 bottom
R258 "SR0603" SR0603 3110,1670 r180 bottom
R260 "SR0603" SR0603 3570,920 r270 bottom
R261 "SR0402" SR0402 3540,2150 r0 bottom
R267 "SR0402" SR0402 874,525 r0 top
R268 "SR0402" SR0402 874,565 r180 top
R269 "SR0402" SR0402 874,475 r0 top
R270 "SR0402" SR0402 874,435 r180 top
R271 "SR0402" SR0402 2483.48,699.62 r270 top
R272 "SR0402" SR0402 2523.48,699.62 r90 top
R273 "SR0402" SR0402 2443.48,699.62 r270 top
R274 "SR0402" SR0402 2403.48,699.62 r90 top
R275 "SR0402" SR0402 1402,700 r180 bottom
R276 "SR0402" SR0402 1383,682 r90 top
R277 "SR0402" SR0402 1945.02,540.02 r0 bottom
R278 "SR0402" SR0402 1880.02,455.02 r270 bottom
R279 "SR0402" SR0402 1401.82,585.48 r180 top
R280 "SR0402" SR0402 874,765 r180 top
R281 "SR0402" SR0402 1401.82,545.48 r0 top
R282 "SR0402" SR0402 874,650 r180 top
R283 "SR0402" SR0402 2289,1243 r270 bottom
R284 "SR0402" SR0402 2272,1224 r180 top
R285 "SR0402" SR0402 2404,1775 r90 bottom
R286 "SR0402" SR0402 2498.98,1721.02 r0 bottom
R287 "SR0402" SR0402 2368.52,1242.82 r270 top
R288 "SR0402" SR0402 2283.52,699.82 r90 top
R289 "SR0402" SR0402 2448.52,1242.82 r90 top
R290 "SR0402" SR0402 2323.52,699.82 r270 top
R292 "SR0402" SR0402 1115.02,573.02 r270 bottom
R293 "SR0402" SR0402 2380.98,956.02 r0 bottom
R294 "SR0603" SR0603 3110,1540 r180 bottom
R295 "SR0603" SR0603 3090,330 r180 bottom
R296 "SR0603" SR0603 2890,1440 r270 bottom
R297 "SR0603" SR0603 2940,240 r270 bottom
R310 "SR0603" SR0603 3140,1450 r90 bottom
R311 "SR0603" SR0603 3220,420 r180 bottom
R316 "SR0402" SR0402 1760,2280 r90 bottom
R317 "SR0402" SR0402 1720,2280 r90 bottom
R318 "SR0402" SR0402 1800,2280 r90 bottom
R319 "SR0402" SR0402 1040,2465 r90 bottom
R320 "SR0402" SR0402 230,610 r0 bottom
R321 "SR0402" SR0402 1870,1920 r180 bottom
R322 "SR0402" SR0402 760,1270 r180 bottom
R323 "SR0402" SR0402 1250,2465 r90 bottom
R325 "SR0402" SR0402 1080,2465 r270 bottom
R326 "SR0402" SR0402 230,480 r0 bottom
R334 "SR0402" SR0402 2020,2430 r90 bottom
R335 "SR0402" SR0402 1980,2430 r90 bottom
R341 "SR0402" SR0402 330,640 r0 bottom
R342 "SR0402" SR0402 230,710 r0 bottom
R343 "SR0402" SR0402 330,690 r0 bottom
R344 "SR0402" SR0402 230,660 r0 bottom
R345 "SR0402" SR0402 330,600 r0 bottom
R368 "SR0402" SR0402 1059,1850 r90 bottom
R370 "SR0603" SR0603 3070,2190 r180 bottom
R371 "SR0603" SR0603 3090,400 r180 bottom
R372 "SR0402" SR0402 590,580 r270 bottom
R373 "SR0603" SR0603 3110,1600 r180 bottom
R386 "SR0603" SR0603 3580,1570 r0 top
R387 "SR0603" SR0603 3505,570 r270 bottom
R397 "SR0402" SR0402 1420,2320 r270 top
R403 "SR0603" SR0603 3210,765 r180 bottom
R687 "SR0402" SR0402 1950,2180 r90 bottom
R688 "SR0402" SR0402 885,1295 r0 bottom
R689 "SR0402" SR0402 853,1295 r180 bottom
R690 "SR0402" SR0402 2220,2360 r0 bottom
R691 "SR0402" SR0402 2200,2300 r270 bottom
R694 "SR0402" SR0402 2010,2190 r0 bottom
R695 "SR0603" SR0603 2980,1540 r180 bottom
R699 "SR0402" SR0402 2130,1975 r270 bottom
R700 "SR0603" SR0603 3590,1380 r270 top
R701 "SR0603" SR0603 3580,1510 r0 bottom
R702 "SR0402" SR0402 3380,1370 r90 bottom
R703 "SR0402" SR0402 770,1730 r180 bottom
RUN1 "SD0805-LED" SD0805-LED 1860,2460 r270 top
TP1 "TP24-SMD" TP24-SMD 1970,1920 r0 top
TP2 "TP24-SMD" TP24-SMD 760,1650 r0 top
TP3 "TP24-SMD" TP24-SMD 810,1680 r270 top
TP6 "TP24-SMD" TP24-SMD 790,1340 r0 top
TP7 "TP24-SMD" TP24-SMD 750,1350 r0 top
TP8 "TP24-SMD" TP24-SMD 750,1390 r0 top
TP9 "TP24-SMD" TP24-SMD 790,1380 r0 top
TP10 "TP24-SMD" TP24-SMD 1970,2050 r0 top
TP11 "TP24-SMD" TP24-SMD 2005,2080 r0 top
TP12 "TP24-SMD" TP24-SMD 819,1125 r90 bottom
TP13 "TP24-SMD" TP24-SMD 790,1170 r270 bottom
TP14 "TP24-SMD" TP24-SMD 894,1125 r90 bottom
TP15 "TP24-SMD" TP24-SMD 715,1680 r0 top
TP16 "TP24-SMD" TP24-SMD 705,1945 r0 top
TP17 "TP24-SMD" TP24-SMD 580.96,2121.01 r0 top
TP18 "TP24-SMD" TP24-SMD 330,2180 r270 top
TP19 "TP24-SMD" TP24-SMD 1730,2320 r0 top
TP20 "TP24-SMD" TP24-SMD 1770,2320 r0 top
TP21 "TP24-SMD" TP24-SMD 1830,2320 r0 top
TP22 "TP24-SMD" TP24-SMD 1870,2320 r0 top
U1 "VQFN14" VQFN14 3450,1380 r0 top
U2 "SOT23-6" SOT23-6 3530,2100 r0 top
U3 "SOT23-6" SOT23-6 3520,860 r0 top
U5 "WSON8-MX25L12835ZN" WSON8-MX25L12835ZN 2320,2320 r270 top
U8 "BGA805-32-3333" BGA805-32-3333 1386.95,1568.55 r0 top
U10 "SOT23B" SOT23B 2000,2330 r0 top
U12 "SOT23-6" SOT23-6 3520,460 r0 top
U15 "BGA96-32-1609M" BGA96-32-1609M 1128.82,575.22 r270 top
U20 "SOP16-50-300A" SOP16-50-300A 2330,2320 r180 top
U23 "HSOT-SC70-DCK" HSOT-SC70-DCK 2010,2480 r180 top
U37 "BGA96-32-1609M" BGA96-32-1609M 1673.82,575.22 r270 top
U38 "BGA96-32-1609M" BGA96-32-1609M 2378.78,969.82 r0 top
U39 "BGA96-32-1609M" BGA96-32-1609M 2378.78,1514.82 r0 top
U42 "SOT23-5C" SOT23-5C 2010,2180 r270 top
X2 "HSX4-0302" HSX4-0302 1410,2470 r0 top
X3 "HSX2-0302" HSX2-0302 1600,2330 r180 top

## Footprints (in the part's own frame and the unit in brackets; to place one, negate y for a bottom-side part, rotate by r counter-clockwise, add the part's x,y. Pads: shape width x height; smd on the part's side, far side on the other; paste and mask are expansions set on the pad)
4PIN-2.54 [mil]
  rect 60x60 hole 35: 1(0,0)
  round 60 hole 35: 2(100,0) 3(200,0) 4(300,0)
  silkscreen extent -100,-100 400,100
1210 [mil]
  rect 60x100 smd: 1(-67.5,0) 2(67.5,0)
  silkscreen extent -118,-70 118,70
1812 [mil]
  rect 60x125 smd: 1(-92.5,0) 2(92.5,0)
  silkscreen extent -143,-82 143,82
6032 [mil]
  rect 120x90 smd: 1(120,0) 2(-120,0)
  silkscreen extent -200,-65 200,65
BGA96-32-1609M [mil]
  round 14 smd: A1(-236.22,-125.98) A2(-236.22,-94.49) A3(-236.22,-62.99) A7(-236.22,62.99) A8(-236.22,94.49) A9(-236.22,125.98) B1(-204.72,-125.98) B2(-204.72,-94.49) B3(-204.72,-62.99) B7(-204.72,62.99) B8(-204.72,94.49) B9(-204.72,125.98) C1(-173.23,-125.98) C2(-173.23,-94.49) C3(-173.23,-62.99) C7(-173.23,62.99) C8(-173.23,94.49) C9(-173.23,125.98) D1(-141.73,-125.98) D2(-141.73,-94.49) D3(-141.73,-62.99) D7(-141.73,62.99) D8(-141.73,94.49) D9(-141.73,125.98) E1(-110.24,-125.98) E2(-110.24,-94.49) E3(-110.24,-62.99) E7(-110.24,62.99) E8(-110.24,94.49) E9(-110.24,125.98) F1(-78.74,-125.98) F2(-78.74,-94.49) F3(-78.74,-62.99) F7(-78.74,62.99) F8(-78.74,94.49) F9(-78.74,125.98) G1(-47.24,-125.98) G2(-47.24,-94.49) G3(-47.24,-62.99) G7(-47.24,62.99) G8(-47.24,94.49) G9(-47.24,125.98) H1(-15.75,-125.98) H2(-15.75,-94.49) H3(-15.75,-62.99) H7(-15.75,62.99) H8(-15.75,94.49) H9(-15.75,125.98) J1(15.75,-125.98) J2(15.75,-94.49) J3(15.75,-62.99) J7(15.75,62.99) J8(15.75,94.49) J9(15.75,125.98) K1(47.24,-125.98) K2(47.24,-94.49) K3(47.24,-62.99) K7(47.24,62.99) K8(47.24,94.49) K9(47.24,125.98) L1(78.74,-125.98) L2(78.74,-94.49) L3(78.74,-62.99) L7(78.74,62.99) L8(78.74,94.49) L9(78.74,125.98) M1(110.24,-125.98) M2(110.24,-94.49) M3(110.24,-62.99) M7(110.24,62.99) M8(110.24,94.49) M9(110.24,125.98) N1(141.73,-125.98) N2(141.73,-94.49) N3(141.73,-62.99) N7(141.73,62.99) N8(141.73,94.49) N9(141.73,125.98) P1(173.23,-125.98) P2(173.23,-94.49) P3(173.23,-62.99) P7(173.23,62.99) P8(173.23,94.49) P9(173.23,125.98) R1(204.72,-125.98) R2(204.72,-94.49) R3(204.72,-62.99) R7(204.72,62.99) R8(204.72,94.49) R9(204.72,125.98) T1(236.22,-125.98) T2(236.22,-94.49) T3(236.22,-62.99) T7(236.22,62.99) T8(236.22,94.49) T9(236.22,125.98)
  TOP lines w6: -229.78,-214.82 -279.78,-214.82 -279.78,-164.82 ; 279.78,164.82 279.78,214.82 229.78,214.82
  silkscreen extent -278,-199 278,199